# Altium PCB LPCB220R0.PcbDoc (part 4 of 4)
Units mm, origin at the board's own origin, x right, y up, seen from the top; angles counter-clockwise.
Board outline 259.35 x 183.7 mm, 4 copper layers (Top Layer, Internal Plane 1, Mid-Layer 1, Bottom Layer); 237 components, 229 nets, 1097 pads, 413 vias.
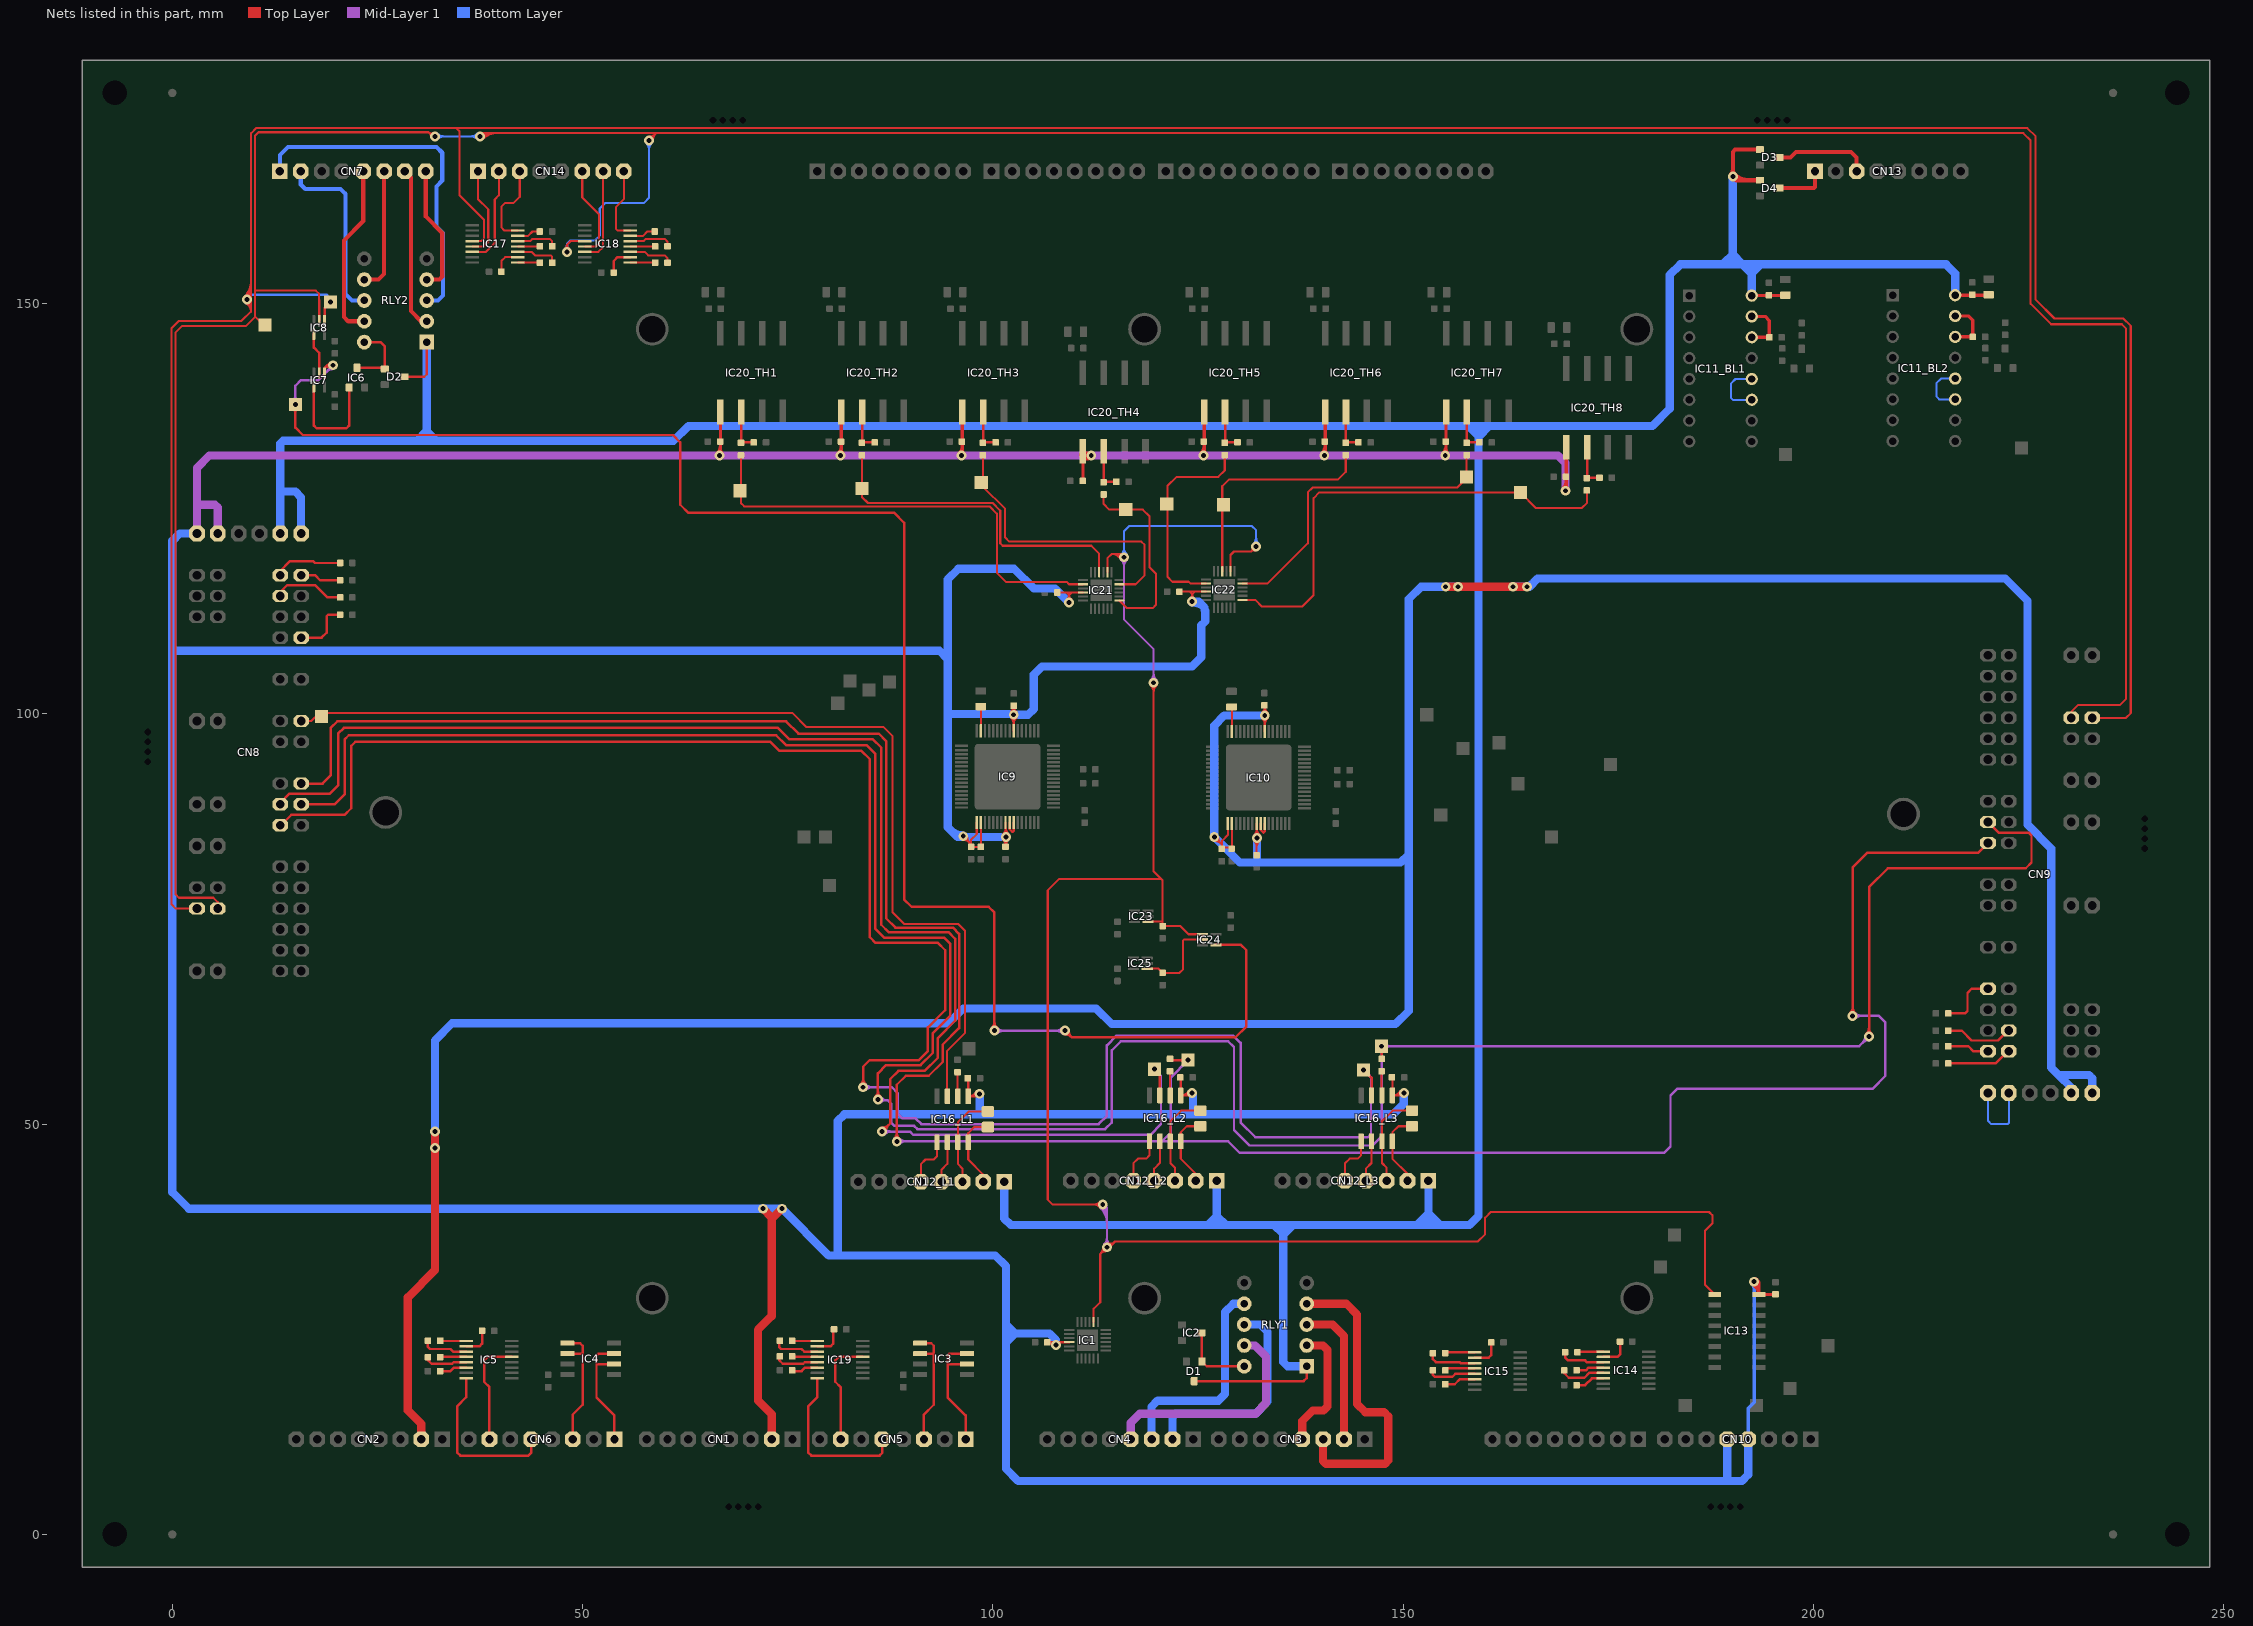
[diagram p6: the nets of this part, all layers, seen from the top]

## Via types
v1: diameter 1.2, hole 0.6, Top Layer to Bottom Layer, 341 vias
v2: diameter 0.6, hole 0.3, Top Layer to Bottom Layer, 60 vias
v3: diameter 0.5, hole 0.2, Top Layer to Bottom Layer, tented both sides, 12 vias

## Nets (pads, with @x,y where several pads share a name; then routed paths per layer and width w, separated by ;. In a path a pad name is that pad's centre, name@x,y a point inside that pad or via, vN(x,y) a via of type N, cw(c..) or ccw(c..) an arc to the next point about the centre after c; other vN are vias at no path point) (continued)
LASER_RX2: CN8.T7 CN9.T7 R12_L2.1 TP15_L2.1 | length 339.2
  Top Layer w0.3: CN8.T7@15.7,91.52 18.32,91.52 19.3,92.5 19.3,98.3 20.1,99.1 74.8,99.1 76.3,97.6 86.1,97.6 87,96.7 87,75.1 88.137,73.963 95.137,73.963 95.9,73.2 95.9,61.7 93.9,59.7 93.9,57.6 92.2,55.9 89.4,55.9 88.3,54.8 v1(88.3,47.9) ; v1@87.982,48.218 ccw(c87.214,48.986) 88.3,48.986 ccw(c89.386,48.986) v1@88.618,48.218 ; R12_L2.1@121.6,57.95 121.75,57.8 v1(123.8,57.8) ; TP15_L2.1@123.482,57.482 ccw(c122.714,56.714) 122.714,57.8 ccw(c122.714,58.886) TP15_L2.1@123.482,58.118 ; v1@204.482,63.518 ccw(c203.714,64.286) 204.8,64.286 ccw(c205.886,64.286) v1@205.118,63.518 ; v1(204.8,63.2) 204.8,81.3 206.6,83.1 220.12,83.1 CN9.T7@221.3,84.28
  Mid-Layer 1 w0.3: v1(88.3,47.9) 120.6,47.9 ; v1@88.618,47.582 cw(c89.386,46.814) 89.386,47.9 cw(c89.386,48.986) v1@88.618,48.218 ; v1@123.35,57.8 cw(c122.264,57.8) 123.032,57.032 cw(c123.8,56.264) v1@123.8,57.35 ; v1(123.8,57.8) 121.7,55.7 121.7,49 120.6,47.9 ; v1(204.8,63.2) 208,63.2 208.8,62.4 208.8,55.9 207.2,54.3 183.4,54.3 182.6,53.5 182.6,47.3 181.8,46.5 130.1,46.5 128.7,47.9 120.6,47.9 ; v1@205.118,62.882 cw(c205.886,62.114) 205.886,63.2 cw(c205.886,64.286) v1@205.118,63.518
LASER_RX3: CN8.T9 CN9.T9 R12_L3.1 TP15_L3.1 | length 352.9
  Top Layer w0.254: TP15_L3.1@147.066,59.166 cw(c146.258,58.358) 147.4,58.358 cw(c148.542,58.358) TP15_L3.1@147.734,59.166 ; R12_L3.1@147.4,57.95 v1(147.4,59.5)
  Top Layer w0.3: CN8.T9@15.7,88.98 19.78,88.98 21,90.2 21,96.9 21.5,97.4 73.6,97.4 74.8,96.2 84.6,96.2 85.7,95.1 85.7,73.8 86.8,72.7 94.1,72.7 94.8,72 94.8,63.2 92.7,61.1 92.7,58.7 91.2,57.2 87,57.2 86,56.2 v1(86,53) ; v1@85.682,53.318 ccw(c84.914,54.086) 86,54.086 ccw(c87.086,54.086) v1@86.318,53.318 ; v1@206.482,61.018 ccw(c205.714,61.786) 206.8,61.786 ccw(c207.886,61.786) v1@207.118,61.018 ; v1(206.8,60.7) 206.8,78.9 209.1,81.2 225.9,81.2 226.6,81.9 226.6,85.2 226.3,85.5 222.62,85.5 CN9.T9@221.3,86.82
  Mid-Layer 1 w0.3: v1(86,53) 86.1,52.9 87.2,52.9 ; v1@86.318,52.682 cw(c86.845,52.155) 86.845,52.9 ; v1@86.341,53.294 ccw(c87.2,54.034) 87.2,52.9 ; v1@147.082,59.182 cw(c146.314,58.414) 147.4,58.414 cw(c148.486,58.414) 147.718,59.182 cw(c148.486,58.414) 148.486,59.5 cw(c148.486,60.586) v1@147.718,59.818 ; v1@206.35,60.7 cw(c205.264,60.7) 206.032,59.932 cw(c206.8,59.164) v1@206.8,60.25 ; v1(206.8,60.7) 205.6,59.5 v1(147.4,59.5) 147.4,48.5 146.3,47.4 131.3,47.4 129.4,49.3 129.4,59.4 128.7,60.1 115.6,60.1 114.5,59 114.5,50.2 113.7,49.4 90.8,49.4 90.4,49.8 88,49.8 87.6,50.2 87.6,52.5 87.2,52.9
LASER_TX1: CN8.T1 IC16_L1.3 TP16_L1.1 | length 126
  Top Layer w0.254: CN8.T1@15.7,99.14 16.94,99.14 17.9,100.1 75.6,100.1 77.3,98.4 86.7,98.4 87.8,97.3 87.8,75.8 89.2,74.4 93.2,74.4 95.8,74.4 96.6,73.6 96.6,61.1 94.4,58.9 94.4,53.465 IC16_L1.3@94.465,53.4
LASER_TX2: CN8.T8 IC16_L2.3 TP16_L2.1 | length 193.9
  Top Layer w0.3: CN8.T8@13.16,88.98 13.16,89.16 14.3,90.3 19.2,90.3 20.2,91.3 20.2,97.6 20.9,98.3 73.8,98.3 75.2,96.9 85.4,96.9 86.4,95.9 86.4,74.3 87.3,73.4 92,73.4 94.6,73.4 95.4,72.6 95.4,62.6 93.3,60.5 93.3,58.1 91.7,56.5 88.5,56.5 87.5,55.5 87.5,50.1 v1(86.5,49.1) ; v1@86.5,49.55 ccw(c86.5,50.636) 87.268,49.868 ccw(c88.036,49.1) v1@86.95,49.1 ; v1(119.7,56.7) TP16_L2.1@120.365,56.035 ; TP16_L2.1@119.748,56.253 cw(c119.829,55.499) TP16_L2.1@120.365,56.035 ; TP16_L2.1@120.147,56.652 ccw(c120.901,56.571) TP16_L2.1@120.365,56.035 ; IC16_L2.3@120.365,53.5 TP16_L2.1@120.365,56.035
  Mid-Layer 1 w0.3: v1(86.5,49.1) 89.9,49.1 90.3,48.7 119.2,48.7 120.5,50 120.5,55.9 v1(119.7,56.7) ; v1@86.818,48.782 cw(c87.586,48.014) 87.586,49.1 cw(c87.586,50.186) v1@86.818,49.418 ; v1@119.7,56.25 cw(c119.7,55.164) 120.468,55.932 cw(c121.236,56.7) v1@120.15,56.7
LASER_TX3: CN8.T10 IC16_L3.3 TP16_L3.1 | length 241.5
  Top Layer w0.3: CN8.T10@13.16,86.44 13.24,86.44 14.5,87.7 21,87.7 21.8,88.5 21.8,96.1 22.3,96.6 72.9,96.6 74,95.5 84,95.5 85,94.5 85,72.8 85.7,72.1 93.3,72.1 94.2,71.2 94.2,63.9 92.1,61.8 92.1,58.9 91,57.8 85,57.8 84.2,57 v1(84.2,54.5) ; v1@83.882,54.818 ccw(c83.114,55.586) 84.2,55.586 ccw(c85.286,55.586) v1@84.518,54.818 ; TP16_L3.1@145.2,56.15 cw(c145.2,55.064) 145.968,55.832 cw(c146.736,56.6) TP16_L3.1@145.65,56.6 ; v1(145.2,56.6) 146.165,55.635 IC16_L3.3@146.165,53.5
  Mid-Layer 1 w0.3: v1(84.2,54.5) 87.7,54.5 88.4,53.8 88.4,51.3 89,50.7 90.6,50.7 91.3,50 112.9,50 113.9,51 113.9,59.6 115.1,60.8 129.3,60.8 130.2,59.9 130.2,50.2 132,48.4 145.7,48.4 146.1,48.8 146.1,55.7 v1(145.2,56.6) ; v1@84.518,54.182 cw(c85.286,53.414) 85.286,54.5 cw(c85.286,55.586) v1@84.518,54.818 ; v1@145.2,56.15 cw(c145.2,55.064) 145.968,55.832 cw(c146.736,56.6) v1@145.65,56.6
NetC9_2: C9.2 IC5.2 | length 3.6
  Top Layer w0.3: IC5.2@35.825,22.925 37.425,22.925 37.75,23.25 C9.2@37.75,24.8
NetC10_1: C10.1 IC5.1 | length 3.2
  Top Layer w0.3: C10.1@32.65,23.6 32.675,23.575 IC5.1@35.825,23.575
NetC10_2: C10.2 IC5.3 | length 5.7
  Top Layer w0.3: C10.2@31.15,23.6 31.15,22.85 31.4,22.6 33.9,22.6 34.225,22.275 IC5.3@35.825,22.275
NetC11_1: C11.1 IC5.4 | length 3.2
  Top Layer w0.3: C11.1@32.65,21.6 32.675,21.625 IC5.4@35.825,21.625
NetC11_2: C11.2 IC5.5 | length 5.3
  Top Layer w0.3: C11.2@31.15,21.6 31.15,21.25 31.6,20.8 34.1,20.8 34.275,20.975 IC5.5@35.825,20.975
NetC12_1: C12.1 IC5.6 | length 3.4
  Top Layer w0.3: C12.1@32.65,19.9 33.9,19.9 34.325,20.325 IC5.6@35.825,20.325
NetC16_2: C16.2 IC9.31 | length 2.9
  Top Layer w0.254: IC9.31@98.55,97.95 C16.2@98.55,100.9
NetC26_2: C26.2 IC10.31 | length 2.9
  Top Layer w0.254: IC10.31@129.15,97.85 C26.2@129.15,100.8
NetC28_2: C28.2 IC14.2 | length 3.7
  Top Layer w0.3: IC14.2@174.425,21.625 176.125,21.625 176.45,21.95 C28.2@176.45,23.5
NetC29_2: C29.2 IC15.2 | length 3.7
  Top Layer w0.3: IC15.2@158.725,21.525 160.425,21.525 160.75,21.85 C29.2@160.75,23.4
NetC30_1: C30.1 IC14.4 | length 3.4
  Top Layer w0.3: C30.1@171.15,20 172.3,20 172.625,20.325 IC14.4@174.425,20.325
NetC30_2: C30.2 IC14.5 | length 5.6
  Top Layer w0.3: C30.2@169.65,20 169.65,19.65 170.2,19.1 172.1,19.1 172.675,19.675 IC14.5@174.425,19.675
NetC31_1: C31.1 IC14.1 | length 3.2
  Top Layer w0.3: C31.1@171.25,22.2 171.325,22.275 IC14.1@174.425,22.275
NetC31_2: C31.2 IC14.3 | length 5.6
  Top Layer w0.3: C31.2@169.75,22.2 169.75,21.55 170.1,21.2 172.2,21.2 172.425,20.975 IC14.3@174.425,20.975
NetC32_1: C32.1 IC15.4 | length 3.7
  Top Layer w0.3: C32.1@155.15,20 155.375,20.225 IC15.4@158.725,20.225
NetC32_2: C32.2 IC15.5 | length 5.9
  Top Layer w0.3: C32.2@153.65,20 153.65,19.45 153.9,19.2 156,19.2 156.375,19.575 IC15.5@158.725,19.575
NetC33_1: C33.1 IC15.1 | length 3.6
  Top Layer w0.3: C33.1@155.15,22.1 155.225,22.175 IC15.1@158.725,22.175
NetC33_2: C33.2 IC15.3 | length 6
  Top Layer w0.3: C33.2@153.65,22.1 153.65,21.35 154,21 156.9,21 157.025,20.875 IC15.3@158.725,20.875
NetC34_1: C34.1 IC14.6 | length 3.6
  Top Layer w0.3: C34.1@171.15,18.2 172.2,18.2 173.025,19.025 IC14.6@174.425,19.025
NetC35_1: C35.1 IC15.6 | length 3.8
  Top Layer w0.3: C35.1@155.15,18.3 156.3,18.3 156.925,18.925 IC15.6@158.725,18.925
NetC37_2: C37.2 IC17.2 | length 3.5
  Top Layer w0.254: C37.2@40.1,153.9 40.1,155.2 40.575,155.675 IC17.2@42.125,155.675
NetC38_1: C38.1 IC17.1 | length 2.6
  Top Layer w0.254: IC17.1@42.125,155.025 C38.1@44.775,155.025
NetC38_2: C38.2 IC17.3 | length 5.1
  Top Layer w0.254: IC17.3@42.125,156.325 43.775,156.325 44.2,155.9 46.1,155.9 46.3,155.7 C38.2@46.3,155
NetC39_1: C39.1 IC17.4 | length 2.7
  Top Layer w0.254: IC17.4@42.125,156.975 44.775,156.975 C39.1@44.8,157
NetC39_2: C39.2 IC17.5 | length 5
  Top Layer w0.254: IC17.5@42.125,157.625 43.625,157.625 43.9,157.9 46,157.9 46.3,157.6 C39.2@46.3,157
NetC40_1: C40.1 IC17.6 | length 2.9
  Top Layer w0.254: IC17.6@42.125,158.275 43.375,158.275 43.9,158.8 C40.1@44.8,158.8
NetC41_2: C41.2 IC18.2 | length 3.6
  Top Layer w0.3: C41.2@53.8,153.8 53.8,155.2 54.275,155.675 IC18.2@55.825,155.675
NetC42_1: C42.1 IC18.1 | length 3
  Top Layer w0.254: IC18.1@55.825,155.025 58.825,155.025 C42.1@58.85,155
NetC42_2: C42.2 IC18.3 | length 5.4
  Top Layer w0.254: IC18.3@55.825,156.325 57.575,156.325 58,155.9 60,155.9 60.35,155.55 C42.2@60.35,155
NetC43_1: C43.1 IC18.4 | length 3
  Top Layer w0.254: IC18.4@55.825,156.975 58.825,156.975 C43.1@58.85,157
NetC43_2: C43.2 IC18.5 | length 5.3
  Top Layer w0.254: IC18.5@55.825,157.625 57.425,157.625 57.7,157.9 60,157.9 60.35,157.55 C43.2@60.35,157
NetC44_1: C44.1 IC18.6 | length 3.2
  Top Layer w0.254: IC18.6@55.825,158.275 57.375,158.275 57.9,158.8 C44.1@58.8,158.8
NetC45_2: C45.2 IC19.2 | length 3.6
  Top Layer w0.3: IC19.2@78.625,22.925 80.225,22.925 80.55,23.25 C45.2@80.55,24.8
NetC46_1: C46.1 IC19.1 | length 3.1
  Top Layer w0.3: C46.1@75.475,23.575 IC19.1@78.625,23.575
NetC46_2: C46.2 IC19.3 | length 5.7
  Top Layer w0.3: C46.2@73.95,23.6 73.95,22.85 74.2,22.6 76.7,22.6 77.025,22.275 IC19.3@78.625,22.275
NetC47_1: C47.1 IC19.4 | length 3.2
  Top Layer w0.3: C47.1@75.45,21.6 75.475,21.625 IC19.4@78.625,21.625
NetC47_2: C47.2 IC19.5 | length 5.3
  Top Layer w0.3: C47.2@73.95,21.6 73.95,21.25 74.4,20.8 76.9,20.8 77.075,20.975 IC19.5@78.625,20.975
NetC48_1: C48.1 IC19.6 | length 3.4
  Top Layer w0.3: C48.1@75.45,19.9 76.7,19.9 77.125,20.325 IC19.6@78.625,20.325
NetCN3_2: CN3.2 RLY1.3 | length 17.7
  Top Layer w1: RLY1.3@138.26,25.575 141.425,25.575 142.8,24.2 CN3.2@142.8,11.6
NetCN3_3: CN3.3 RLY1.4 | length 38.3
  Top Layer w1: RLY1.4@138.26,28.115 143.085,28.115 144.4,26.8 144.4,15.9 145.4,14.9 147.7,14.9 148.2,14.4 148.2,9 147.8,8.6 140.6,8.6 140.26,8.94 CN3.3@140.26,11.6
NetCN3_4: CN3.4 RLY1.2 | length 15.7
  Top Layer w1: CN3.4@137.72,11.6 137.72,13.82 139,15.1 140.3,15.1 140.8,15.6 140.8,22.5 140.265,23.035 RLY1.2@138.26,23.035
NetCN4_2: CN4.2 RLY1.8 | length 26.8
  Bottom Layer w1: CN4.2@121.9,11.6 121.9,14.3 122.3,14.7 132,14.7 133.5,16.2 133.5,24.7 132.625,25.575 RLY1.8@130.64,25.575
NetCN4_3: CN4.3 RLY1.7 | length 26.3
  Bottom Layer w1: CN4.3@119.36,11.6 119.36,15.56 120.1,16.3 127.5,16.3 128.3,17.1 128.3,27.1 129.315,28.115 RLY1.7@130.64,28.115
NetCN4_4: CN4.4 RLY1.9 | length 28.4
  Mid-Layer 1 w1: CN4.4@116.82,11.6 116.82,13.62 117.9,14.7 132,14.7 133.3,16 133.3,21.7 131.965,23.035 RLY1.9@130.64,23.035
NetCN7_1: CN7.1 RLY2.3 | length 42.7
  Bottom Layer w0.5: CN7.1@13.11,166.138 13.11,168.11 14.1,169.1 32.2,169.1 32.9,168.4 32.9,165 32.2,164.3 32.2,159.4 33,158.6 33,151 32.4,150.4 RLY2.3@31.01,150.4
NetCN7_2: CN7.2 RLY2.8 | length 22.3
  Bottom Layer w0.5: CN7.2@15.65,166.138 15.65,164.55 16.2,164 20.5,164 21.1,163.4 21.1,151.2 21.9,150.4 RLY2.8@23.39,150.4
NetCN7_5: CN7.5 RLY2.9 | length 21.4
  Top Layer w0.5: CN7.5@23.27,166.138 23.27,160.07 20.9,157.7 20.9,148.4 21.44,147.86 RLY2.9@23.39,147.86
NetCN7_6: CN7.6 RLY2.7 | length 15.2
  Top Layer w0.5: RLY2.7@23.39,152.94 25.14,152.94 25.81,153.61 CN7.6@25.81,166.138
NetCN7_7: CN7.7 RLY2.2 | length 19.8
  Top Layer w0.5: CN7.7@28.35,166.138 29.1,165.388 29.1,149.1 30.34,147.86 RLY2.2@31.01,147.86
NetCN7_8: CN7.8 RLY2.4 | length 15.7
  Top Layer w0.5: CN7.8@30.89,166.138 30.89,160.61 32.9,158.6 32.9,153.3 32.54,152.94 RLY2.4@31.01,152.94
NetCN8_ID1: CN8.ID1 R4.1 | length 8.4
  Top Layer w0.3: CN8.ID1@13.16,116.92 13.16,117.46 14.3,118.6 17.2,118.6 17.4,118.4 R4.1@20.45,118.4
NetCN8_ID2: CN8.ID2 R3.1 | length 5
  Top Layer w0.3: CN8.ID2@15.7,116.92 17.38,116.92 18,116.3 R3.1@20.45,116.3
NetCN8_ID3: CN8.ID3 R2.1 | length 8.7
  Top Layer w0.3: CN8.ID3@13.16,114.38 13.16,114.86 14,115.7 17.4,115.7 18.9,114.2 R2.1@20.45,114.2
NetCN8_ID4: CN8.ID4 R1.1 | length 7.1
  Top Layer w0.3: CN8.ID4@15.7,109.3 18.2,109.3 18.8,109.9 18.8,111.9 19,112.1 R1.1@20.45,112.1
NetCN9_ID1: CN9.ID1 R9.1 | length 8
  Top Layer w0.3: R9.1@216.45,57.4 222.2,57.4 223.68,58.88 CN9.ID1@223.84,58.88
NetCN9_ID2: CN9.ID2 R8.1 | length 5.1
  Top Layer w0.3: R8.1@216.45,59.5 218.9,59.5 219.52,58.88 CN9.ID2@221.3,58.88
NetCN9_ID3: CN9.ID3 R7.1 | length 8.4
  Top Layer w0.3: R7.1@216.45,61.4 218.1,61.4 219.3,60.2 222.5,60.2 223.72,61.42 CN9.ID3@223.84,61.42
NetCN9_ID4: CN9.ID4 R6.1 | length 7.4
  Top Layer w0.3: R6.1@216.45,63.5 218.5,63.5 218.8,63.8 218.8,66 219.3,66.5 CN9.ID4@221.3,66.5
NetCN12_L1_2: CN12_L1.2 IC16_L1.8 R5_L1.1 | length 9.4
  Top Layer w0.254: CN12_L1.2@98.85,43 98.85,43.85 97.005,45.695 IC16_L1.8@97.005,47.8 97.005,48.905 97.75,49.65 R5_L1.1@99.4,49.65
NetCN12_L1_3: CN12_L1.3 IC16_L1.7 R5_L1.2 | length 11.7
  Top Layer w0.254: CN12_L1.3@96.31,43 96.31,44.59 95.735,45.165 IC16_L1.7@95.735,47.8 95.735,50.235 97.05,51.55 R5_L1.2@99.4,51.55
NetCN12_L1_4: CN12_L1.4 IC16_L1.6 | length 5.1
  Top Layer w0.254: CN12_L1.4@93.77,43 93.77,44.47 94.465,45.165 IC16_L1.6@94.465,47.8
NetCN12_L1_5: CN12_L1.5 IC16_L1.5 | length 6.2
  Top Layer w0.254: CN12_L1.5@91.23,43 91.23,45.13 91.8,45.7 92.8,45.7 93.195,46.095 IC16_L1.5@93.195,47.8
NetCN12_L2_2: CN12_L2.2 IC16_L2.8 R5_L2.1 | length 9.4
  Top Layer w0.254: CN12_L2.2@124.75,43.1 124.75,43.95 122.905,45.795 IC16_L2.8@122.905,47.9 122.905,49.005 123.65,49.75 R5_L2.1@125.3,49.75
NetCN12_L2_3: CN12_L2.3 IC16_L2.7 R5_L2.2 | length 11.7
  Top Layer w0.254: CN12_L2.3@122.21,43.1 122.21,44.69 121.635,45.265 IC16_L2.7@121.635,47.9 121.635,50.335 122.95,51.65 R5_L2.2@125.3,51.65
NetCN12_L2_4: CN12_L2.4 IC16_L2.6 | length 5.1
  Top Layer w0.254: CN12_L2.4@119.67,43.1 119.67,44.57 120.365,45.265 IC16_L2.6@120.365,47.9
NetCN12_L2_5: CN12_L2.5 IC16_L2.5 | length 6.2
  Top Layer w0.254: CN12_L2.5@117.13,43.1 117.13,45.23 117.7,45.8 118.7,45.8 119.095,46.195 IC16_L2.5@119.095,47.9
NetCN12_L3_2: CN12_L3.2 IC16_L3.8 R5_L3.1 | length 9.4
  Top Layer w0.254: CN12_L3.2@150.55,43.1 150.55,43.95 148.705,45.795 IC16_L3.8@148.705,47.9 148.705,49.005 149.45,49.75 R5_L3.1@151.1,49.75
NetCN12_L3_3: CN12_L3.3 IC16_L3.7 R5_L3.2 | length 11.7
  Top Layer w0.254: CN12_L3.3@148.01,43.1 148.01,44.69 147.435,45.265 IC16_L3.7@147.435,47.9 147.435,50.335 148.75,51.65 R5_L3.2@151.1,51.65
NetCN12_L3_4: CN12_L3.4 IC16_L3.6 | length 5.1
  Top Layer w0.254: CN12_L3.4@145.47,43.1 145.47,44.57 146.165,45.265 IC16_L3.6@146.165,47.9
NetCN12_L3_5: CN12_L3.5 IC16_L3.5 | length 6.2
  Top Layer w0.254: CN12_L3.5@142.93,43.1 142.93,45.23 143.5,45.8 144.5,45.8 144.895,46.195 IC16_L3.5@144.895,47.9
NetCN13_1: CN13.1 D4.3 | length 6.3
  Top Layer w0.5: D4.3@195.9,164.1 200.1,164.1 200.21,164.21 CN13.1@200.21,166.138
NetCN13_3: CN13.3 D3.3 | length 11.6
  Top Layer w0.5: D3.3@195.9,167.829 197.229,167.829 197.9,168.5 204.6,168.5 205.29,167.81 CN13.3@205.29,166.138
NetCN14_1: CN14.1 IC17.13 | length 11.3
  Top Layer w0.254: IC17.13@36.575,156.975 37.975,156.975 38.5,157.5 38.5,161.5 37.26,162.74 CN14.1@37.26,166.138
NetCN14_2: CN14.2 IC17.14 | length 12.1
  Top Layer w0.254: IC17.14@36.575,156.325 38.225,156.325 39.3,157.4 39.3,162.7 39.8,163.2 CN14.2@39.8,166.138
NetCN14_3: CN14.3 IC17.7 | length 10.5
  Top Layer w0.254: IC17.7@42.125,158.925 40.475,158.925 40.1,159.3 40.1,161.8 40.6,162.3 41.6,162.3 42.34,163.04 CN14.3@42.34,166.138
NetCN14_6: CN14.6 IC18.13 | length 11.5
  Top Layer w0.254: CN14.6@49.96,166.138 49.96,162.94 52,160.9 52,157.3 51.675,156.975 IC18.13@50.275,156.975
NetCN14_7: CN14.7 IC18.14 | length 11.7
  Top Layer w0.254: IC18.14@50.275,156.325 51.925,156.325 52.5,156.9 CN14.7@52.5,166.138
NetCN14_8: CN14.8 IC18.7 | length 9.2
  Top Layer w0.254: CN14.8@55.04,166.138 55.04,162.74 54.1,161.8 54.1,159.1 54.275,158.925 IC18.7@55.825,158.925
NetD1_1: D1.1 IC2.3 RLY1.10 | length 8.9
  Top Layer w0.3: IC2.3@125.45,24.575 125.45,21.125 D1.1@125.5,21.075 126.08,20.495 RLY1.10@130.64,20.495
NetD2_1: D2.1 IC6.3 RLY2.10 | length 8.9
  Top Layer w0.3: IC6.3@22.5,142.2 25.75,142.2 D2.1@25.9,142.05 25.9,144.8 25.38,145.32 RLY2.10@23.39,145.32
NetIC6_1: IC6.1 IC7.4 | length 14
  Top Layer w0.3: IC7.4@17.25,139.875 17.25,135.15 17.6,134.8 21.2,134.8 21.55,135.15 IC6.1@21.55,139.8
NetIC7_2: IC7.2 IC8.4 | length 5
  Top Layer w0.3: IC8.4@17.25,146.275 17.25,144.65 17.9,144 IC7.2@17.9,141.525
NetIC9_57: IC9.57 IC9.58 | length 2.5
  Top Layer w0.254: IC9.57@102.05,86.75 102.05,85.95 102.4,85.6 102.55,85.75 IC9.58@102.55,86.75
NetIC10_57: IC10.57 IC10.58 | length 2.5
  Top Layer w0.254: IC10.57@132.65,86.65 132.65,85.85 133,85.5 133.15,85.65 IC10.58@133.15,86.65
NetIC11_BL1_11: IC11_BL1.11 IC11_BL1.12 | length 7.1
  Bottom Layer w0.254: IC11_BL1.11@192.51,138.29 190.21,138.29 190,138.5 190,140.3 190.53,140.83 IC11_BL1.12@192.51,140.83
NetIC11_BL1_14: IC11_BL1.14 IC11_BL1.15 R13_BL1.2 | length 6.5
  Top Layer w0.4: IC11_BL1.14@192.51,145.91 194.64,145.91 R13_BL1.2@194.65,145.9 194.65,147.95 194.15,148.45 IC11_BL1.15@192.51,148.45
NetIC11_BL2_11: IC11_BL2.11 IC11_BL2.12 | length 6.6
  Bottom Layer w0.254: IC11_BL2.11@217.3,138.34 215.36,138.34 215,138.7 215,140.3 215.58,140.88 IC11_BL2.12@217.3,140.88
NetIC11_BL2_14: IC11_BL2.14 IC11_BL2.15 R13_BL2.2 | length 6.5
  Top Layer w0.4: IC11_BL2.14@217.3,145.96 R13_BL2.2@219.43,145.96 ; IC11_BL2.15@217.3,148.5 218.94,148.5 219.44,148 R13_BL2.2@219.44,145.95
NetIC16_L1_2: IC16_L1.2 R12_L1.2 | length 3
  Top Layer w0.254: R12_L1.2@95.7,56.35 95.7,53.435 IC16_L1.2@95.735,53.4
NetIC16_L2_2: IC16_L2.2 R12_L2.2 | length 3
  Top Layer w0.254: R12_L2.2@121.6,56.45 121.6,53.535 IC16_L2.2@121.635,53.5
NetIC16_L3_2: IC16_L3.2 R12_L3.2 | length 3
  Top Layer w0.254: R12_L3.2@147.4,56.45 147.4,53.535 IC16_L3.2@147.435,53.5
NetIC20_TH1_2: IC20_TH1.2 R19_TH1.1 R20_TH1.2 | length 5.2
  Top Layer w0.3: IC20_TH1.2@69.34,136.8 69.34,133.08 69.36,133.1 R20_TH1.2@70.86,133.1
NetIC20_TH2_2: IC20_TH2.2 R19_TH2.1 R20_TH2.2 | length 5.2
  Top Layer w0.3: R19_TH2.1@84.081,133.08 IC20_TH2.2@84.081,136.8 ; R19_TH2.1@84.101,133.1 R20_TH2.2@85.601,133.1
NetIC20_TH3_2: IC20_TH3.2 R19_TH3.1 R20_TH3.2 | length 5.2
  Top Layer w0.3: R19_TH3.1@98.823,133.08 IC20_TH3.2@98.823,136.8 ; R19_TH3.1@98.843,133.1 R20_TH3.2@100.343,133.1
NetIC20_TH4_2: IC20_TH4.2 R19_TH4.1 R20_TH4.2 | length 5.2
  Top Layer w0.3: R19_TH4.1@113.53,128.28 IC20_TH4.2@113.53,132 ; R19_TH4.1@113.55,128.3 R20_TH4.2@115.05,128.3
NetIC20_TH5_2: IC20_TH5.2 R19_TH5.1 R20_TH5.2 | length 5.2
  Top Layer w0.3: R19_TH5.1@128.306,133.08 IC20_TH5.2@128.306,136.8 ; R19_TH5.1@128.326,133.1 R20_TH5.2@129.826,133.1
NetIC20_TH6_2: IC20_TH6.2 R19_TH6.1 R20_TH6.2 | length 5.2
  Top Layer w0.3: R19_TH6.1@143.047,133.08 IC20_TH6.2@143.047,136.8 ; R19_TH6.1@143.067,133.1 R20_TH6.2@144.567,133.1
NetIC20_TH7_2: IC20_TH7.2 R19_TH7.1 R20_TH7.2 | length 5.2